# Allegro board 1156197-TDI_VU3P_QSFP28_CXP_V001_1023A-166-20241121_1644_PCB.brd (continued)
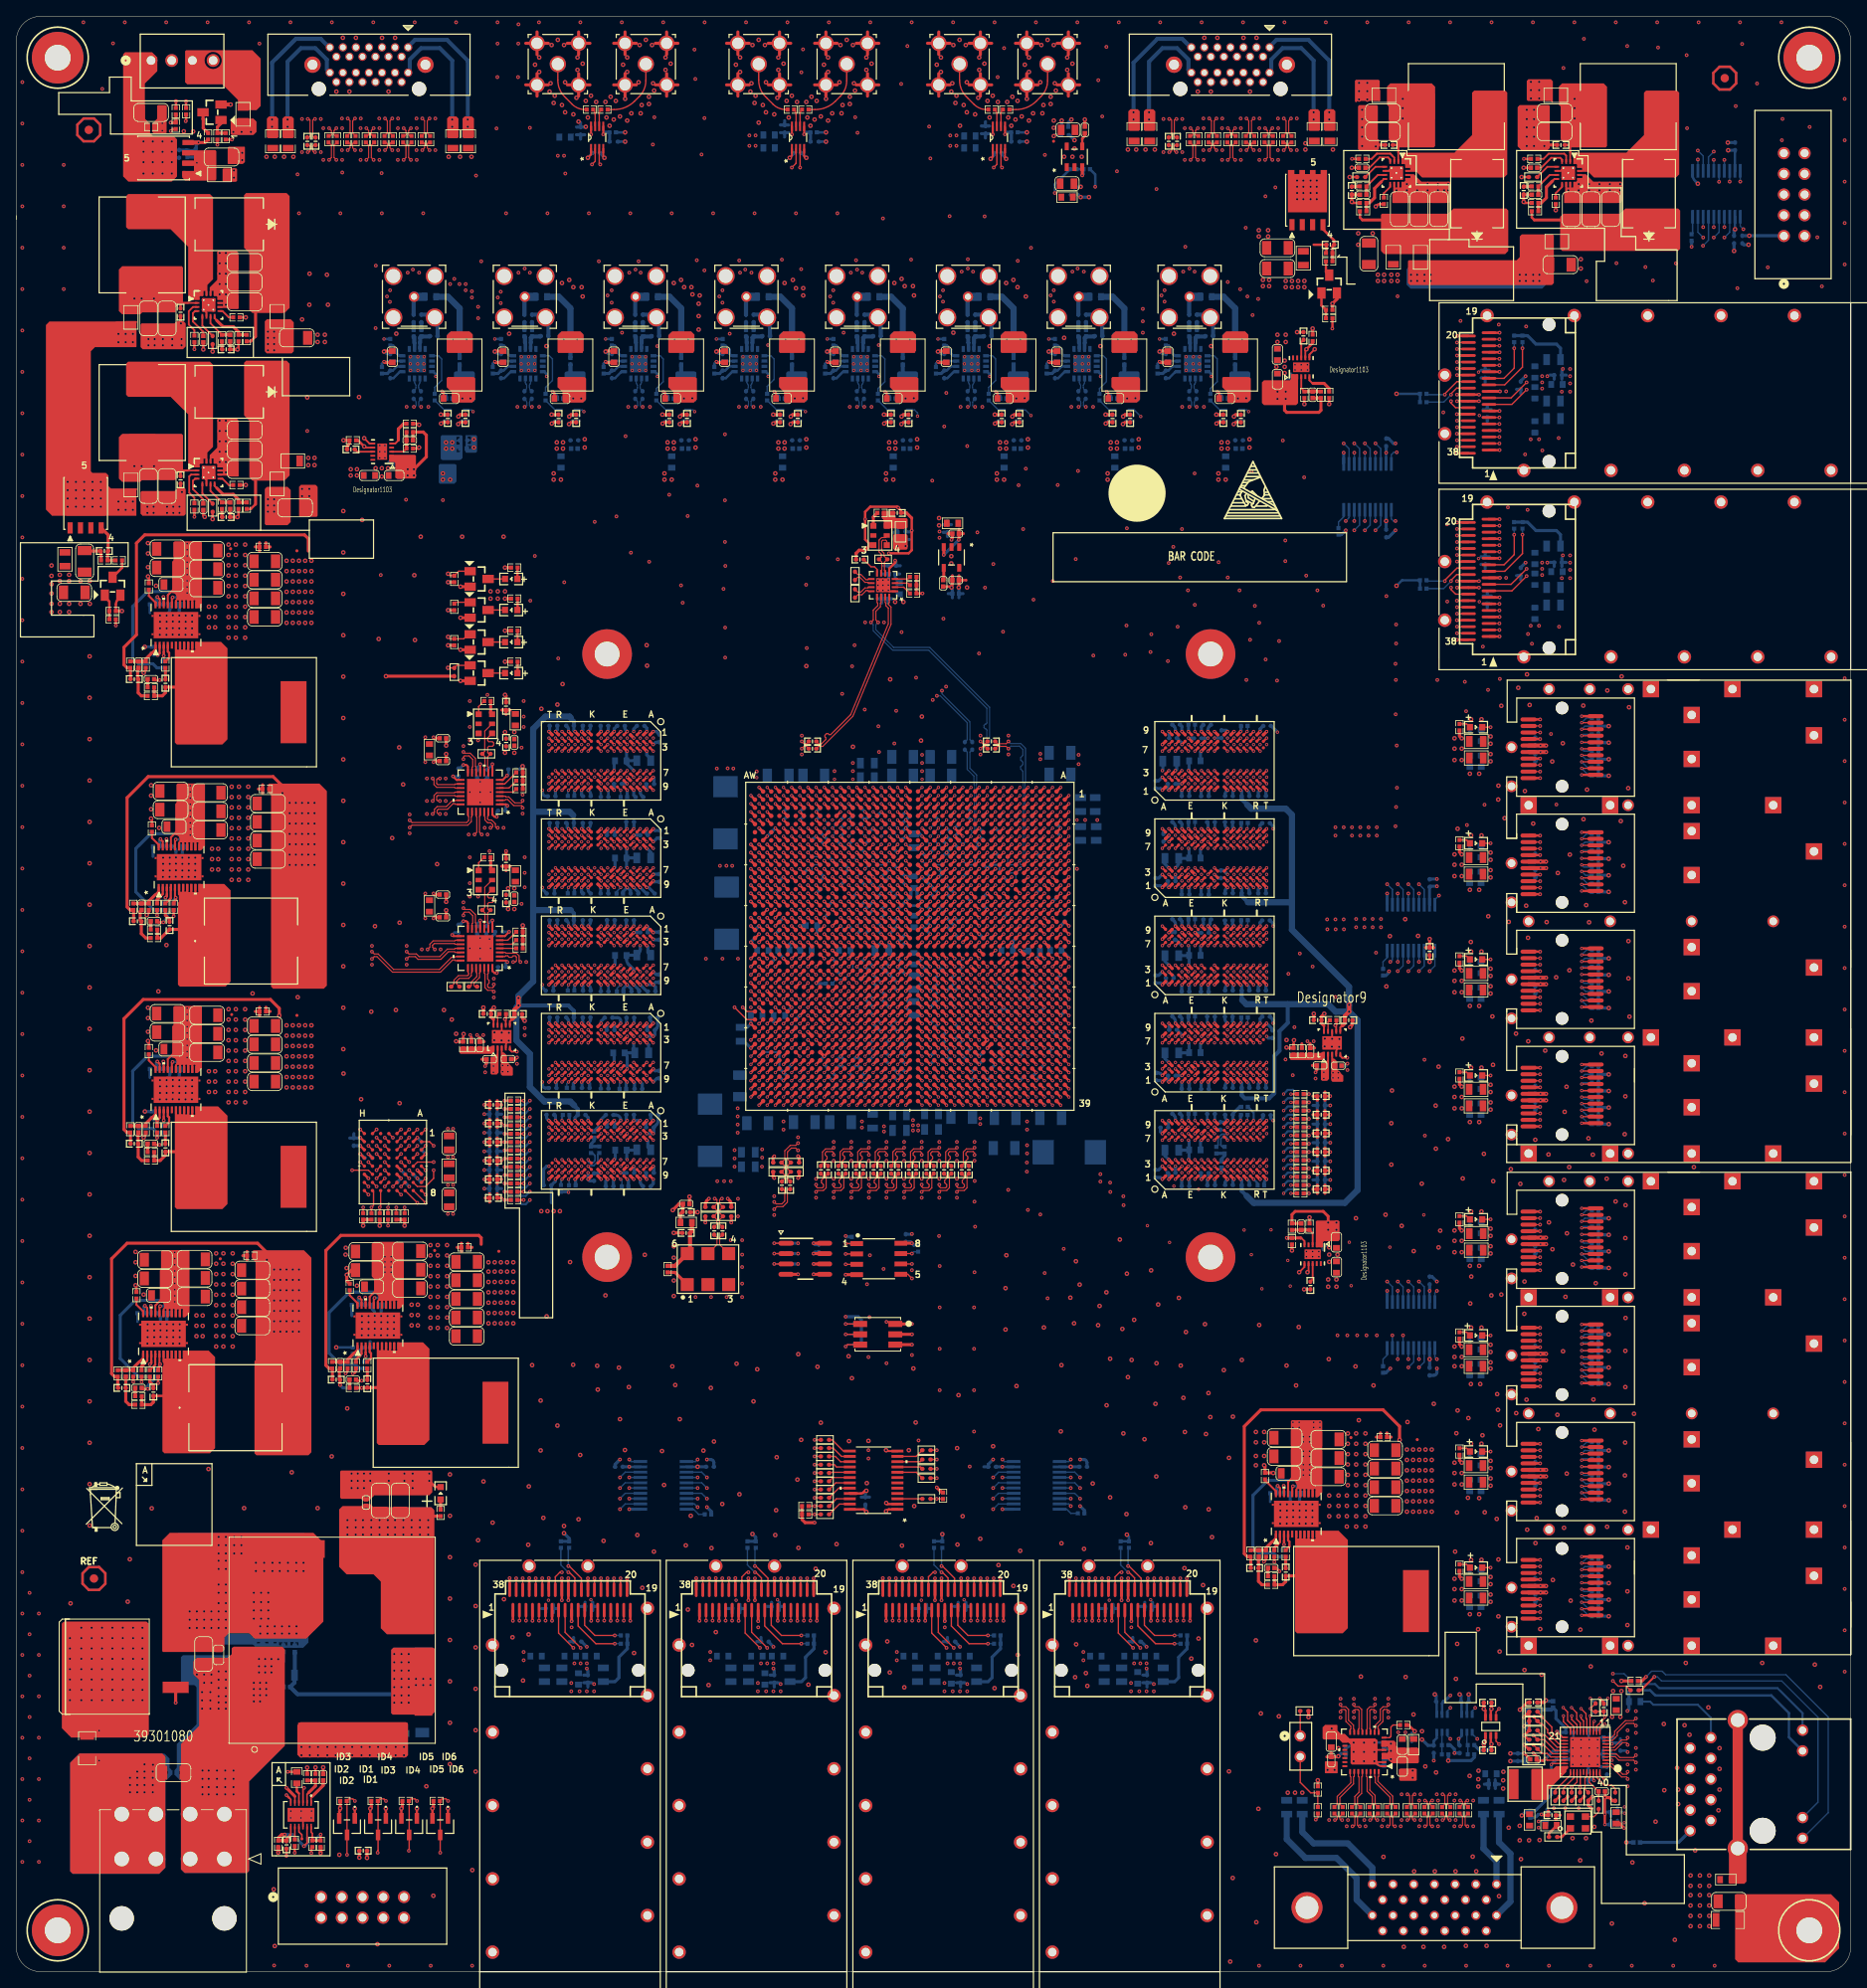
[diagram p0: board, top side]
## Routing (per net, layer and track width the routed paths; a pad name or vN(x,y) marks a point on that pad's centre or on a via; arc(x,y) is an arc through that point) (continued)
  BOTTOM w0.267: v3(155.45,106.71) 155.96,107.21 156.6,107.21 R153.1
CHA_FPGA_DDR4_C2_BG0: length 139.1
  TOP w0.267: U14.M2 v3(150.16,133.88) ; U16.M2 v3(150.16,145.82) ; U13.M2 v3(150.16,121.94) ; U15.M2 v3(150.16,110) ; U1.H8 v1(122.1,138.36) ; U17.M2 v3(150.16,98.06)
  ART05 w0.122: v3(150.16,98.06) U17.M2 149.76,99.92 149.89,100.04 150.07,100.04 150.19,100.17 150.19,100.41 150.07,100.53 149.68,100.53 149.56,100.65 149.56,100.9 149.68,101.02 150.07,101.02 150.19,101.14 150.19,101.39 150.07,101.51 149.89,101.51 149.76,101.63 149.76,106.96 149.59,107.13 149.47,107.13 149.35,107.25 149.35,107.5 149.47,107.62 149.64,107.62 149.76,107.74 149.76,109.6 v3(150.16,110) U15.M2 149.76,111.86 149.89,111.98 150.07,111.98 150.19,112.1 150.19,112.35 150.07,112.47 149.68,112.47 149.56,112.59 149.56,112.84 149.68,112.96 150.07,112.96 150.19,113.08 150.19,113.32 150.07,113.45 149.89,113.45 149.76,113.57 149.76,118.9 149.59,119.07 149.47,119.07 149.35,119.19 149.35,119.43 149.47,119.56 149.64,119.56 149.76,119.68 149.76,121.54 v3(150.16,121.94) U13.M2 149.76,123.8 149.89,123.92 150.07,123.92 150.19,124.04 150.19,124.29 150.07,124.41 149.68,124.41 149.56,124.53 149.56,124.77 149.68,124.9 150.07,124.9 150.19,125.02 150.19,125.26 150.07,125.38 149.89,125.38 149.76,125.51 149.76,130.83 149.59,131.01 149.47,131.01 149.35,131.13 149.35,131.37 149.47,131.49 149.64,131.49 149.76,131.62 149.76,133.48 v3(150.16,133.88) U14.M2 149.76,135.74 149.89,135.86 150.07,135.86 150.19,135.98 150.19,136.22 150.07,136.35 149.48,136.35 149.36,136.47 149.36,136.71 149.48,136.83 150.07,136.83 150.19,136.96 150.19,137.2 150.07,137.32 149.89,137.32 149.76,137.44 149.76,140.87 149.64,140.99 149.47,140.99 149.35,141.12 149.35,141.36 149.47,141.48 149.69,141.48 149.81,141.6 149.81,141.85 149.69,141.97 149.47,141.97 149.35,142.09 149.35,142.33 149.47,142.46 149.67,142.46 149.79,142.58 149.79,142.8 149.64,142.94 149.47,142.94 149.35,143.07 149.35,143.31 149.47,143.43 149.69,143.43 149.81,143.55 149.81,143.8 149.69,143.92 149.47,143.92 149.35,144.04 149.35,144.28 149.47,144.41 149.64,144.41 149.76,144.53 149.76,145.41 v3(150.16,145.82)
  ART05 w0.165: v3(150.16,145.82) 150.57,146.22 150.57,147.73
  ART05 w0.191: 150.57,147.73 150.57,147.73 150.57,147.84 150.76,148.03 152.56,148.03 155.22,150.69 155.22,152.78 153.26,154.74 152.85,154.74 152.66,154.55 152.66,154.01 152.47,153.82 152.09,153.82 151.9,154.01 151.9,154.55 151.71,154.74 151.33,154.74 151.14,154.55 151.14,154.01 150.95,153.82 150.57,153.82 150.38,154.01 150.38,154.55 150.19,154.74 149.81,154.74 149.62,154.55 149.62,154.01 149.43,153.82 149.04,153.82 148.85,154.01 148.85,154.55 148.66,154.74 143.26,154.74 143.05,154.94 143.05,155.45 143.24,155.64 143.75,155.64 143.94,155.83 143.94,156.21 143.75,156.4 143.24,156.4 143.05,156.59 143.05,157.3 141.73,158.62 133.93,158.62 128.4,153.09 128.4,148.34 126.11,146.05 124.78,146.05 124.59,145.86 124.59,141.12 124.31,140.84 123.83,140.84 123.57,140.59 123.57,140.03 123.37,139.83 122.81,139.83 122.58,139.6 122.58,138.84 v1(122.1,138.36)
  ART14 w0.165: v3(150.16,98.06) 150.57,97.66 150.57,96.93
  ART14 w0.191: 150.57,96.93 151.33,96.16 155.07,96.16 v3(155.45,96.55)
  BOTTOM w0.267: R159.1 156.6,97.05 155.96,97.05 v3(155.45,96.55)
CHA_FPGA_DDR4_C2_CAS: length 138.6
  TOP w0.267: U15.M8 v3(150.16,115.6) ; U16.M8 v3(150.16,151.42) ; U17.M8 v3(150.16,103.66) ; U13.M8 v3(150.16,127.54) ; U1.L10 v1(119.1,136.36) ; U14.M8 v3(150.16,139.48) ; v3(156.34,107.72) R160.1
  ART07 w0.165: 150.56,104.67 150.56,104.06 v3(150.16,103.66)
  ART07 w0.191: 150.56,104.67 150.56,105.61 152.15,107.19 155.8,107.19 v3(156.34,107.72)
  ART12 w0.165: 149.76,152.53 149.76,151.82 v3(150.16,151.42)
  ART12 w0.191: v1(119.1,136.36) 119.1,136.55 118.62,137.03 118.62,140.54 118.29,140.87 117.96,140.87 117.6,141.23 117.6,145.7 116.84,146.46 116.84,152.4 118.95,154.51 131.09,154.51 131.28,154.7 131.28,156.71 131.47,156.9 131.85,156.9 132.04,156.71 132.04,154.7 132.23,154.51 132.61,154.51 132.8,154.7 132.8,156.71 132.99,156.9 133.37,156.9 133.56,156.71 133.56,154.7 133.75,154.51 134.14,154.51 134.33,154.7 134.33,156.65 134.52,156.84 140.72,156.84 141.66,155.9 141.66,155.63 141.1,155.07 141.1,154.81 141.37,154.54 141.64,154.54 142.2,155.09 142.47,155.09 142.88,154.69 147.88,154.69 149.76,152.81 149.76,152.53
  ART16 w0.122: v3(150.16,103.66) 150.56,104.06 150.56,104.88 150.44,105 150.24,105 150.11,105.12 150.11,105.36 150.24,105.49 150.44,105.49 150.56,105.61 150.56,105.85 150.44,105.97 150.24,105.97 150.11,106.1 150.11,106.34 150.24,106.46 150.44,106.46 150.56,106.58 150.56,106.83 150.44,106.95 150.31,106.95 150.19,107.07 150.19,107.32 150.31,107.44 150.44,107.44 150.56,107.56 150.56,107.8 150.44,107.92 150.39,107.92 150.27,108.05 150.27,108.29 150.39,108.41 150.44,108.41 150.56,108.53 150.56,115.2 v3(150.16,115.6) 150.56,116 150.56,116.81 150.44,116.94 150.24,116.94 150.11,117.06 150.11,117.3 150.24,117.42 150.44,117.42 150.56,117.55 150.56,117.79 150.44,117.91 150.24,117.91 150.11,118.03 150.11,118.28 150.24,118.4 150.44,118.4 150.56,118.52 150.56,118.77 150.44,118.89 150.31,118.89 150.19,119.01 150.19,119.25 150.31,119.38 150.44,119.38 150.56,119.5 150.56,119.74 150.44,119.86 150.39,119.86 150.27,119.98 150.27,120.23 150.39,120.35 150.44,120.35 150.56,120.47 150.56,127.14 v3(150.16,127.54) 150.56,127.94 150.56,128.75 150.44,128.87 150.24,128.87 150.11,129 150.11,129.24 150.24,129.36 150.44,129.36 150.56,129.48 150.56,129.73 150.44,129.85 150.24,129.85 150.11,129.97 150.11,130.22 150.24,130.34 150.44,130.34 150.56,130.46 150.56,130.7 150.44,130.83 150.31,130.83 150.19,130.95 150.19,131.19 150.31,131.31 150.44,131.31 150.56,131.44 150.56,131.68 150.44,131.8 150.39,131.8 150.27,131.92 150.27,132.17 150.39,132.29 150.44,132.29 150.56,132.41 150.56,139.08 v3(150.16,139.48) 150.56,139.88 150.56,140.69 150.44,140.81 150.24,140.81 150.11,140.93 150.11,141.18 150.24,141.3 150.44,141.3 150.56,141.42 150.56,141.67 150.44,141.79 150.24,141.79 150.11,141.91 150.11,142.15 150.24,142.28 150.44,142.28 150.56,142.4 150.56,142.64 150.44,142.76 150.24,142.76 150.11,142.89 150.11,143.13 150.24,143.25 150.44,143.25 150.56,143.37 150.56,143.62 150.44,143.74 150.24,143.74 150.11,143.86 150.11,144.1 150.24,144.23 150.44,144.23 150.56,144.35 150.56,147.68 150.69,147.8 150.88,147.8 151,147.93 151,148.17 150.88,148.29 150.69,148.29 150.56,148.41 150.56,148.66 150.69,148.78 150.88,148.78 151,148.9 151,149.15 150.88,149.27 150.69,149.27 150.56,149.39 150.56,151.02 v3(150.16,151.42)
CHA_FPGA_DDR4_C2_CK_N: length 132.3
  TOP w0.211: U14.K8 v3(148.56,138.68) ; U15.K8 v3(148.56,114.8) ; U1.G12 v1(122.1,133.36) ; U13.K8 v3(148.56,126.74) ; U17.K8 v3(148.56,102.86) ; U16.K8 v3(148.56,150.62)
  ART07 w0.102: v1(122.1,133.36) 121.7,133.76 119.83,133.76 119.5,134.09 119.5,145.69 119.45,145.75 119.45,145.77
  ART07 w0.178: 119.45,145.77 119.45,147.25 119.3,147.4 119.3,156.15 119.68,156.54 120.77,156.54 121.13,156.18 121.13,153.84 121.31,153.67 122.02,153.67 122.2,153.84 122.2,156.1 122.55,156.46 123.52,156.46 123.88,156.1 123.88,153.84 124.05,153.67 124.77,153.67 124.94,153.84 124.94,156.1 125.3,156.46 126.27,156.46 126.63,156.1 126.63,153.84 126.8,153.67 147.07,153.67 148.13,152.6 148.13,151.05 v3(148.56,150.62)
  ART16 w0.137: v3(148.56,150.62) 148.97,150.21 148.97,148.61 148.01,147.65 148.01,143.92 147.71,143.62 147.3,143.62 147.13,143.45 147.13,142.98 147.3,142.8 147.77,142.8 148.08,142.48 148.08,138.79 148.28,138.59 148.48,138.59 v3(148.56,138.68) 148.97,138.27 148.97,136.67 148.01,135.71 148.01,131.98 147.71,131.69 147.3,131.69 147.13,131.51 147.13,131.04 147.3,130.86 147.77,130.86 148.08,130.55 148.08,126.86 148.28,126.65 148.48,126.65 v3(148.56,126.74) 148.97,126.33 148.97,124.74 148.01,123.77 148.01,120.04 147.71,119.75 147.3,119.75 147.13,119.57 147.13,119.1 147.3,118.92 147.77,118.92 148.08,118.61 148.08,114.92 148.28,114.72 148.48,114.72 v3(148.56,114.8) 148.97,114.39 148.97,112.8 148.01,111.83 148.01,108.1 147.71,107.81 147.3,107.81 147.13,107.63 147.13,107.16 147.3,106.99 147.77,106.99 148.08,106.67 148.08,102.98 148.28,102.78 148.48,102.78 v3(148.56,102.86)
  BOTTOM w0.211: v3(148.56,102.86) 148.49,102.79 147.85,102.79 147.4,102.34 147.4,101.45 R169.1
CHA_FPGA_DDR4_C2_CK_P: length 132.2
  TOP w0.211: U16.K7 v3(148.56,149.82) ; U15.K7 v3(148.56,114) ; U1.H12 v1(122.1,134.36) ; U17.K7 v3(148.56,102.06) ; U14.K7 v3(148.56,137.88) ; U13.K7 v3(148.56,125.94)
  ART07 w0.102: 119.75,145.77 119.75,145.75 119.7,145.69 119.7,134.17 119.91,133.96 122.11,133.96 122.21,134.06 122.21,134.24 v1(122.1,134.36)
  ART07 w0.178: 119.75,145.77 119.75,147.38 119.61,147.52 119.61,156.03 119.81,156.23 120.64,156.23 120.82,156.05 120.82,153.72 121.18,153.36 122.15,153.36 122.5,153.72 122.5,155.97 122.68,156.15 123.39,156.15 123.57,155.97 123.57,153.72 123.93,153.36 124.89,153.36 125.25,153.72 125.25,155.97 125.43,156.15 126.14,156.15 126.32,155.97 126.32,153.72 126.68,153.36 146.94,153.36 147.83,152.48 147.83,150.92 148.11,150.64 148.11,150.27 v3(148.56,149.82)
  ART16 w0.137: v3(148.56,102.06) 147.77,102.85 147.77,106.54 147.64,106.68 147.18,106.68 146.82,107.03 146.82,107.76 147.18,108.12 147.58,108.12 147.7,108.23 147.7,110.83 147.55,110.98 147.55,111.38 147.7,111.53 147.7,111.96 147.97,112.24 147.97,112.52 148.22,112.76 148.5,112.76 148.66,112.93 148.66,113.92 148.58,114 v3(148.56,114) 147.77,114.79 147.77,118.48 147.64,118.62 147.18,118.62 146.82,118.97 146.82,119.7 147.18,120.06 147.58,120.06 147.7,120.17 147.7,122.77 147.55,122.92 147.55,123.32 147.7,123.47 147.7,123.9 147.97,124.17 147.97,124.45 148.22,124.7 148.5,124.7 148.66,124.86 148.66,125.86 148.58,125.94 v3(148.56,125.94) 147.77,126.73 147.77,130.42 147.64,130.56 147.18,130.56 146.82,130.91 146.82,131.64 147.18,131.99 147.58,131.99 147.7,132.11 147.7,134.71 147.55,134.86 147.55,135.26 147.7,135.41 147.7,135.84 147.97,136.11 147.97,136.39 148.22,136.64 148.5,136.64 148.66,136.8 148.66,137.79 148.58,137.88 v3(148.56,137.88) 147.77,138.67 147.77,142.36 147.64,142.49 147.18,142.49 146.82,142.85 146.82,143.58 147.18,143.93 147.58,143.93 147.7,144.04 147.7,146.65 147.55,146.8 147.55,147.19 147.7,147.34 147.7,147.77 147.97,148.05 147.97,148.33 148.22,148.58 148.5,148.58 148.66,148.74 148.66,149.73 148.58,149.82 v3(148.56,149.82)
  BOTTOM w0.211: R168.1 147.95,101.24 147.74,101.45 147.74,102.2 147.99,102.45 148.43,102.45 148.59,102.2 v3(148.56,102.06)
CHA_FPGA_DDR4_C2_CKE: length 140.7
  TOP w0.267: U13.K2 v3(148.56,121.94) ; U16.K2 v3(148.56,145.82) ; U17.K2 v3(148.56,98.06) ; U14.K2 v3(148.56,133.88) ; U1.D10 v1(126.1,136.36) ; U15.K2 v3(148.56,110)
  ART05 w0.122: v3(148.56,145.82) 148.03,145.28 148.03,144.66 147.91,144.54 147.47,144.54 147.35,144.42 147.35,144.18 147.47,144.05 147.91,144.05 148.03,143.93 148.03,143.69 147.91,143.57 147.47,143.57 147.35,143.44 147.35,143.2 147.47,143.08 147.91,143.08 148.03,142.96 148.03,142.71 147.91,142.59 147.47,142.59 147.35,142.47 147.35,142.22 147.47,142.1 147.91,142.1 148.03,141.98 148.03,141.74 147.91,141.62 147.47,141.62 147.35,141.49 147.35,141.25 147.47,141.13 147.91,141.13 148.03,141.01 148.03,140.75 148.16,140.61 U14.K2 v3(148.56,133.88) 148.03,133.34 148.03,132.73 147.91,132.6 147.52,132.6 147.4,132.48 147.4,132.24 147.52,132.12 147.83,132.12 147.96,131.99 147.96,131.75 147.83,131.63 147.52,131.63 147.4,131.51 147.4,131.29 147.54,131.14 147.83,131.14 147.96,131.02 147.96,128.88 148.16,128.68 U13.K2 v3(148.56,121.94) 148.16,121.54 148.16,120.99 148.04,120.87 147.87,120.87 147.75,120.75 147.75,120.51 147.87,120.39 148.04,120.39 148.16,120.26 148.16,120.02 148.04,119.9 147.87,119.9 147.75,119.78 147.75,119.53 147.87,119.41 148.04,119.41 148.16,119.29 148.16,119.04 148.04,118.92 147.87,118.92 147.75,118.8 147.75,118.56 147.87,118.43 148.04,118.43 148.16,118.31 148.16,118.07 148.04,117.95 147.87,117.95 147.75,117.82 147.75,117.58 147.87,117.46 148.04,117.46 148.16,117.34 U15.K2 v3(148.56,110) 148.16,109.6 148.16,109.06 148.04,108.93 147.87,108.93 147.75,108.81 147.75,108.57 147.87,108.45 148.04,108.45 148.16,108.33 148.16,108.08 148.04,107.96 147.87,107.96 147.75,107.84 147.75,107.59 147.87,107.47 148.04,107.47 148.16,107.35 148.16,107.11 148.04,106.98 147.87,106.98 147.75,106.86 147.75,106.62 147.87,106.5 148.04,106.5 148.16,106.37 148.16,106.13 148.04,106.01 147.87,106.01 147.75,105.89 147.75,105.64 147.87,105.52 148.04,105.52 148.16,105.4 U17.K2 v3(148.56,98.06)
  ART05 w0.191: v1(126.1,136.36) 125.9,136.36 125.6,136.65 125.6,138.56 125.86,138.81 128.27,138.81 128.6,139.14 128.6,145.75 131.24,148.38 131.24,148.65 130.95,148.94 130.95,149.21 131.22,149.48 131.48,149.48 131.77,149.19 132.04,149.19 132.31,149.46 132.31,149.73 130.27,151.77 130.27,152.04 130.5,152.27 130.85,152.27 132.85,150.27 133.12,150.27 133.39,150.54 133.39,150.81 131.31,152.89 131.31,153.18 131.57,153.44 131.84,153.44 133.93,151.34 134.2,151.34 134.47,151.61 134.47,151.88 132.43,153.93 132.43,154.19 132.66,154.43 133,154.43 134.45,152.98 134.8,152.98 134.99,153.17 134.99,156.12 135.18,156.31 135.57,156.31 135.76,156.12 135.76,153.17 135.95,152.98 147.24,152.98 147.5,152.73 147.5,146.88 v3(148.56,145.82)
  ART07 w0.165: 148.96,96.9 148.96,97.67 v3(148.56,98.06)
  ART07 w0.191: v3(155.45,95.53) 155.42,95.5 150.22,95.5 148.96,96.76 148.96,96.9
  BOTTOM w0.267: v3(155.45,95.53) 155.96,96.04 156.6,96.04 R163.1
CHA_FPGA_DDR4_C2_CS: length 139.9
  TOP w0.267: U17.L7 v3(149.36,102.06) ; U16.L7 v3(149.36,149.82) ; U14.L7 v3(149.36,137.88) ; U1.L9 v1(119.1,137.36) ; U13.L7 v3(149.36,125.94) ; U15.L7 v3(149.36,114)
  ART03 w0.122: v3(149.36,149.82) 148.95,149.41 148.95,149.03 149.08,148.9 149.28,148.9 149.44,148.75 149.44,148.57 149.28,148.42 149.08,148.42 148.95,148.3 148.95,144.81 148.62,144.48 148.18,144.48 148.06,144.35 148.06,144.11 148.18,143.99 148.47,143.99 148.59,143.87 148.59,143.62 148.47,143.5 148.18,143.5 148.06,143.38 148.06,143.14 148.18,143.01 148.47,143.01 148.59,142.89 148.59,142.65 148.47,142.53 148.18,142.53 148.06,142.4 148.06,142.16 148.18,142.04 148.47,142.04 148.59,141.92 148.59,141.67 148.47,141.55 148.18,141.55 148.06,141.43 148.06,141.18 148.18,141.06 148.47,141.06 148.59,140.94 148.59,140.79 148.95,140.43 148.95,138.29 v3(149.36,137.88) 148.95,137.47 148.95,132.88 148.62,132.54 148.41,132.54 148.26,132.39 148.26,132.17 148.38,132.05 148.47,132.05 148.59,131.93 148.59,131.69 148.47,131.56 148.41,131.56 148.26,131.42 148.26,131.2 148.38,131.08 148.47,131.08 148.59,130.95 148.59,130.71 148.47,130.59 148.41,130.59 148.26,130.44 148.26,130.22 148.38,130.1 148.47,130.1 148.59,129.98 148.59,129.73 148.47,129.61 148.41,129.61 148.26,129.47 148.26,129.25 148.38,129.12 148.47,129.12 148.59,129 148.59,128.85 148.95,128.49 148.95,126.35 v3(149.36,125.94) 148.95,125.53 148.95,120.94 148.62,120.6 148.41,120.6 148.26,120.45 148.26,120.23 148.38,120.11 148.47,120.11 148.59,119.99 148.59,119.75 148.47,119.63 148.41,119.63 148.26,119.48 148.26,119.26 148.38,119.14 148.47,119.14 148.59,119.02 148.59,118.77 148.47,118.65 148.41,118.65 148.26,118.5 148.26,118.28 148.38,118.16 148.47,118.16 148.59,118.04 148.59,117.8 148.47,117.67 148.41,117.67 148.26,117.53 148.26,117.31 148.38,117.19 148.47,117.19 148.59,117.07 148.59,116.92 148.95,116.55 148.95,114.41 v3(149.36,114) 148.95,113.59 148.95,109 148.62,108.66 148.33,108.66 148.21,108.54 148.21,108.32 148.36,108.18 148.47,108.18 148.59,108.05 148.59,107.81 148.47,107.69 148.33,107.69 148.21,107.57 148.21,107.35 148.36,107.2 148.47,107.2 148.59,107.08 148.59,106.83 148.47,106.71 148.33,106.71 148.21,106.59 148.21,106.37 148.36,106.22 148.47,106.22 148.59,106.1 148.59,105.86 148.47,105.74 148.33,105.74 148.21,105.61 148.21,105.4 148.36,105.25 148.47,105.25 148.59,105.13 148.59,104.98 148.95,104.61 148.95,102.47 v3(149.36,102.06)
  ART07 w0.165: 148.96,152.55 U16.L7 v3(149.36,149.82)
  ART07 w0.191: 148.96,152.55 148.96,153.93 148.21,154.69 131.19,154.69 131,154.88 131,156.6 130.81,156.79 130.43,156.79 130.24,156.6 130.24,154.88 130.05,154.69 129.67,154.69 129.48,154.88 129.48,157.54 129.29,157.73 128.91,157.73 128.71,157.54 128.71,154.88 128.52,154.69 128.14,154.69 127.95,154.88 127.95,157.54 127.76,157.73 119.02,157.73 117.6,156.31 117.6,147.32 118.62,146.3 118.62,137.92 arc(118.63,137.85) 118.67,137.78 v1(119.1,137.36)
  ART14 w0.191: v3(149.36,102.06) 150.44,100.99 154.05,100.99 154.69,101.63 v3(155.45,101.63)
  BOTTOM w0.267: R156.1 156.6,102.13 155.96,102.13 v3(155.45,101.63)
CHA_FPGA_DDR4_C2_D0: length 39.1
  TOP w0.267: U13.G2 v3(145.37,121.94) ; U1.N16 v1(117.1,130.36)
  ART12 w0.165: 142.65,121.62 142.72,121.54 144.97,121.54 v3(145.37,121.94)
  ART12 w0.191: 142.65,121.62 138.99,121.62 136.78,123.83 136.78,126.67 136.4,127.05 134.99,127.05 134.8,127.24 134.8,127.95 134.61,128.14 134.22,128.14 134.03,127.95 134.03,127.24 133.84,127.05 133.46,127.05 133.27,127.24 133.27,127.95 133.08,128.14 132.7,128.14 132.51,127.95 132.51,127.24 132.32,127.05 130.38,127.05 129.57,127.86 119.92,127.86 119.6,128.18 119.6,128.56 119.3,128.86 117.9,128.86 117.6,129.16 117.6,129.86 v1(117.1,130.36)
CHA_FPGA_DDR4_C2_D1: length 39
  TOP w0.267: U13.F7 v3(144.57,125.94) ; U1.M15 v1(118.1,130.36)
  ART12 w0.165: v3(144.57,125.94) 144.34,125.94 144.17,126.11 144.17,128.53
  ART12 w0.191: 144.17,128.53 144.17,128.73 143.99,128.91 142.31,128.91 142.12,129.1 142.12,130.95 141.93,131.14 141.55,131.14 141.36,130.95 141.36,129.1 141.17,128.91 140.65,128.91 140.46,129.1 140.46,130.78 139.17,132.08 129.79,132.08 129.57,131.86 117.94,131.86 117.6,131.52 117.6,130.66 117.9,130.36 v1(118.1,130.36)
CHA_FPGA_DDR4_C2_D2: length 38.8
  TOP w0.267: v3(146.97,122.74) 146.57,123.14 U13.H3 ; U1.N17 v1(117.1,129.36)
  ART12 w0.165: 146.56,120.98 146.56,122.49 146.82,122.74 v3(146.97,122.74)
  ART12 w0.191: 146.56,120.98 146.56,120.86 145.67,119.96 140.08,119.96 139.65,120.4 138.52,120.4 137.71,120.73 133.59,124.86 121.85,124.86 121.48,125.22 121.09,125.22 120.72,124.86 119.85,124.86 119.6,125.11 119.6,126.55 119.29,126.86 118.86,126.86 118.6,127.12 118.6,127.53 118.27,127.86 117.94,127.86 117.6,128.2 117.6,128.65 117.1,129.15 v1(117.1,129.36)
CHA_FPGA_DDR4_C2_D3: length 38.9
  TOP w0.267: U1.M16 118.1,129.36 v1(118.1,129.36) ; U13.H7 v3(146.16,125.94)
  ART12 w0.165: 140.39,123.14 145.67,123.14 145.92,123.39 145.92,124.28 146.2,124.56 146.2,125.9 v3(146.16,125.94)
  ART12 w0.191: 140.39,123.14 139.42,123.14 138.05,124.51 138.05,129.29 137.79,129.54 137.44,129.54 137.25,129.35 137.25,128.89 137.06,128.7 136.68,128.7 136.49,128.89 136.49,129.35 136.3,129.54 128.91,129.54 128.59,129.86 118.6,129.86 v1(118.1,129.36)
CHA_FPGA_DDR4_C2_D4: length 38.6
  TOP w0.267: U13.H2 v3(146.16,121.94) ; v1(118.1,128.36) 118.1,128.36 U1.M17
  ART12 w0.165: v3(146.16,121.94) 146.16,121.91 145.76,121.51 145.76,120.87 145.64,120.75
  ART12 w0.191: 145.64,120.75 145.49,120.6 140.28,120.6 139.88,121.01 138.71,121.01 136.12,123.6 136.12,124.67 135.93,124.86 134.4,124.86 134.21,125.05 134.21,125.43 134.4,125.62 135.93,125.62 136.12,125.81 136.12,126.21 135.89,126.44 130.05,126.44 129.63,126.86 119.85,126.86 119.6,127.11 119.6,127.54 119.29,127.86 118.9,127.86 118.4,128.36 v1(118.1,128.36)
CHA_FPGA_DDR4_C2_D5: length 38.3
  TOP w0.267: U1.M14 117.1,132.36 v1(117.1,132.36) ; U13.H8 v3(146.16,126.74)
  ART12 w0.165: 146.56,128.52 146.56,127.16 146.16,126.76 v3(146.16,126.74)
  ART12 w0.191: v1(117.1,132.36) 117.6,132.86 117.6,133.6 117.85,133.86 121.31,133.86 121.59,134.14 121.59,134.65 121.77,134.82 122.68,134.82 123.65,133.86 129.54,133.86 129.92,133.48 139.5,133.48 140.54,132.44 144.73,132.44 146.56,130.6 146.56,128.52
CHA_FPGA_DDR4_C2_D6: length 39.2
  TOP w0.267: U1.N18 v1(117.1,128.36) ; U13.J3 v3(146.97,123.54)
  ART12 w0.165: 147.36,120.95 147.36,122.98 147.25,123.26 146.97,123.54 v3(146.97,123.54)
  ART12 w0.191: 147.36,120.95 147.36,120.72 146.16,119.51 145.71,119.33 139.51,119.33 137.32,120.24 134.43,123.12 132.56,123.9 121.01,123.9 119.57,124.5 119.18,124.88 118.6,126.29 118.6,126.53 118.28,126.86 117.85,126.86 117.6,127.1 117.6,127.56 117.31,127.85 v1(117.1,128.36)
CHA_FPGA_DDR4_C2_D7: length 38.6
  TOP w0.267: U13.J7 v3(146.97,125.94) ; U1.L17 v1(119.1,129.36)
  ART12 w0.165: v3(146.97,125.94) 146.97,124.41 146.41,123.85 146.41,123.04 145.71,122.34 142.45,122.34
  ART12 w0.191: 142.45,122.34 142.41,122.3 139.29,122.3 137.41,124.18 137.41,126.97 135.48,128.91 131.64,128.91 131.45,128.71 131.45,127.85 131.26,127.66 130.88,127.66 130.69,127.85 130.69,128.71 130.55,128.86 119.94,128.86 119.44,129.36 v1(119.1,129.36)
CHA_FPGA_DDR4_C2_D8: length 35.4
  TOP w0.267: U13.A3 v3(140.56,123.54) ; U1.J15 v1(121.1,131.36)
  ART16 w0.165: v3(140.56,123.54) 140.97,123.13 140.97,122.59 141,122.56
  ART16 w0.191: v1(121.1,131.36) 121.1,131 121.29,130.81 129.57,130.81 129.67,130.71 132.23,130.71 132.8,130.14 132.8,129.87 132.6,129.67 132.6,129.4 132.87,129.13 133.14,129.13 133.34,129.33 133.61,129.33 133.88,129.06 133.88,128.79 133.52,128.44 133.52,128.17 133.79,127.9 134.06,127.9 134.42,128.26 134.69,128.26 134.96,127.99 134.96,127.72 134.6,127.36 134.6,127.09 134.87,126.82 135.14,126.82 135.49,127.18 135.76,127.18 136.03,126.91 136.03,126.64 135.68,126.28 135.68,126.02 135.95,125.75 136.22,125.75 136.57,126.1 136.84,126.1 137.11,125.83 137.11,125.56 136.76,125.21 136.76,124.94 137.03,124.67 137.3,124.67 137.65,125.02 137.92,125.02 138.19,124.75 138.19,124.48 137.84,124.13 137.84,123.86 138.12,123.58 138.39,123.58 138.87,124.06 139.13,124.06 139.4,123.79 139.4,123.52 138.92,123.04 138.92,122.77 139.5,122.19 140.74,122.19 141,122.45 141,122.56
CHA_FPGA_DDR4_C2_D9: length 36.3
  TOP w0.267: v1(121.1,132.36) 121.1,132.36 U1.H14 ; U13.B8 v3(141.36,126.74)
  ART16 w0.191: v1(121.1,132.36) 122.45,132.36 122.95,132.86 129.78,132.86 129.95,133.02 130.7,133.02 130.85,133.17 130.85,133.72 131.1,133.96 131.43,133.96 131.62,133.77 131.62,133.26 131.81,133.07 132.16,133.07 132.38,133.29 132.38,134.91 132.57,135.1 132.95,135.1 133.14,134.91 133.14,133.29 133.33,133.1 133.81,133.1 134,133.29 134,134.84 134.19,135.03 134.59,135.03 134.78,134.84 134.78,133.69 135,133.48 135.35,133.48 135.54,133.67 135.54,134.53 135.73,134.72 136.13,134.72 136.32,134.53 136.32,132.87 140.36,128.83 140.72,128.83 141.02,128.52 141.02,128.09 140.72,127.79 140.72,127.18 141.16,126.74 v3(141.36,126.74)
CHA_FPGA_DDR4_C2_D10: length 37.1
  TOP w0.267: U13.C3 v3(142.17,123.54) ; U1.J16 v1(121.1,130.36)
  ART16 w0.165: 142.66,120.82 142.57,120.91 142.57,121.57 142.29,121.84 142.29,122.76 142.54,123.02 142.54,123.35 142.35,123.54 v3(142.17,123.54)
  ART16 w0.191: 142.66,120.82 142.79,120.69 142.79,119.32 142.09,118.62 141.45,118.62 141.1,118.97 141.1,119.24 141.96,120.1 141.96,120.39 141.71,120.65 141.44,120.65 140.56,119.78 140.29,119.78 140.03,120.05 140.03,120.31 140.19,120.48 140.19,120.75 139.92,121.02 139.65,121.02 139.49,120.85 139.22,120.85 131.6,128.47 129.93,128.47 129.55,128.86 121.82,128.86 121.56,129.11 121.56,130.17 121.37,130.36 v1(121.1,130.36)
CHA_FPGA_DDR4_C2_D11: length 35.3
  TOP w0.267: U13.C7 v3(142.17,125.94) ; v1(120.1,132.36) 120.1,132.36 U1.J14
  ART16 w0.191: v3(142.17,125.94) 142.08,125.94 141.88,126.13 141.88,127.13 142.11,127.36 142.11,127.69 141.6,128.19 141.6,129.54 141.3,129.84 141.03,129.84 140.65,129.47 140.38,129.47 140.11,129.74 140.11,130 140.49,130.38 140.49,130.65 140.26,130.89 139.12,130.89 137.88,132.12 137.88,132.44 138.28,132.83 138.28,133.1 138.01,133.37 137.74,133.37 137.35,132.98 137.08,132.98 136.91,133.15 136.91,134.72 136.89,134.73 136.89,134.77 135.97,135.69 132.21,135.69 131.72,135.2 131.72,134.8 131.55,134.62 130.89,134.62 130.53,134.26 129.87,134.26 129.46,133.86 128.72,133.86 128.36,134.21 128.01,134.21 127.65,133.86 123.24,133.86 122.24,132.86 120.29,132.86 120.1,132.67 v1(120.1,132.36)
